# Altium PCB PCB.PcbDoc (continued)
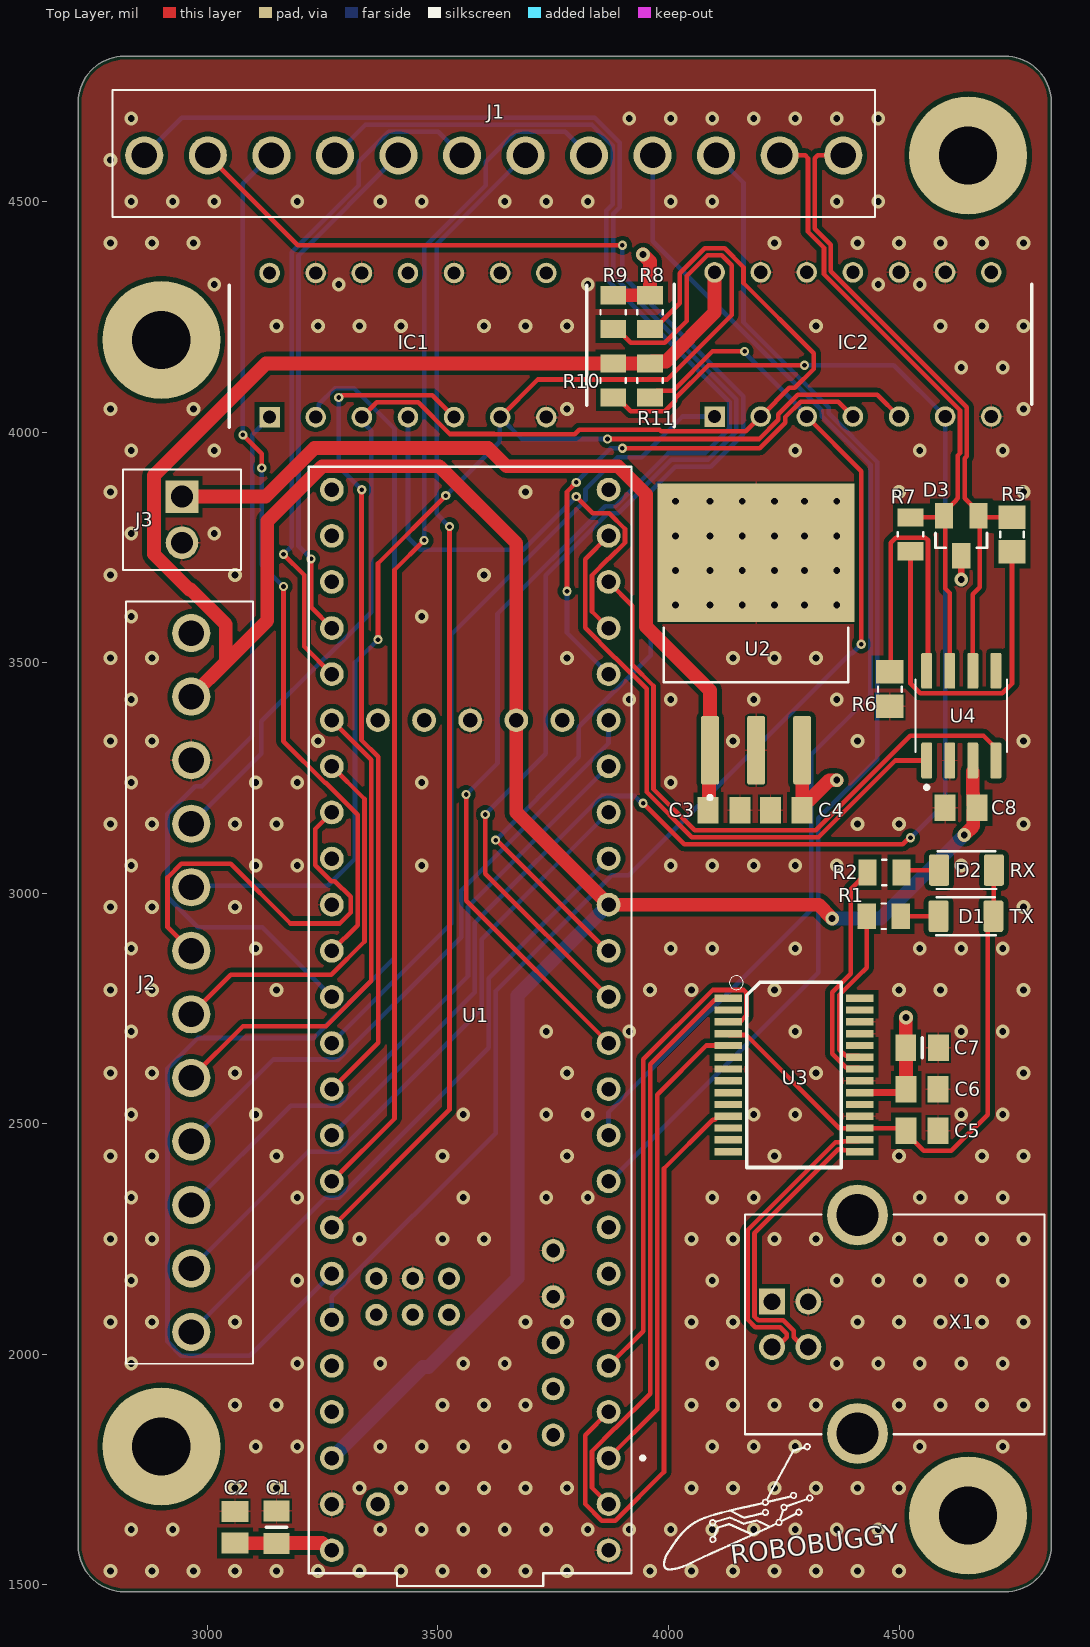
[diagram p0: Top Layer view]
## Footprints (in the part's own frame and the unit in brackets; to place one, negate y for a bottom-side part, rotate by r counter-clockwise, add the part's x,y. Pads: shape width x height; smd on the part's side, far side on the other; paste and mask are expansions set on the pad)
282834-2_1 [mm]
  rect 1.8x1.8 hole 1.2: 1(0,0)
  round 1.8 hole 1.2: 2(2.54,0)
  silkscreen extent -1.5,-3.25 4.04,3.25, body extent -1.5,-3.25 4.04,3.25, height 9.87
117762752 [mm]
  round 2.1 hole 1.4: 1(0,0) 2(3.5,0) 3(7,0) 4(10.5,0) 5(14,0) 6(17.5,0) 7(21,0) 8(24.5,0) 9(28,0) 10(31.5,0) 11(35,0) 12(38.5,0)
  silkscreen extent -1.75,-3.6 40.25,3.4, body extent -2.25,-3.6 40.75,3.4, height 8.31
CAPC2012X100N [mm]
  rect 1.16x1.47 smd: 1(-0.875,0) 2(0.875,0)
  body extent -1,-0.63 1,0.63, height 1
CAPC2012X140N#1 [mm]
  rect 1.15x1.45 smd: 1(-0.9,0) 2(0.9,0)
  silkscreen extent 0,-0.55 0,0.55, body extent -1,-0.63 1,0.63, height 1.35
CAPC2012X140N#2 [mm]
  rect 1.16x1.47 smd: 1(-0.875,0) 2(0.875,0)
  body extent -1,-0.63 1,0.63, height 0.94
DIP794W53P254L1930H508Q14N [mm]
  rect 1.13x1.13 hole 0.73: 1(-3.97,7.62)
  round 1.13 hole 0.73: 2(-3.97,5.08) 3(-3.97,2.54) 4(-3.97,0) 5(-3.97,-2.54) 6(-3.97,-5.08) 7(-3.97,-7.62) 8(3.97,-7.62) 9(3.97,-5.08) 10(3.97,-2.54) 11(3.97,0) 12(3.97,2.54) 13(3.97,5.08) 14(3.97,7.62)
  silkscreen extent -4.53,-9.84 3.3,9.84, body extent -3.94,-9.84 3.94,9.84, height 5.27
LEDC3216X110 [mm]
  rrect20% 1.1x1.73 smd: A(1.51,0) C(-1.51,0)
  silkscreen extent -1.65,-1.05 1.65,1.05, body extent -1.6,-0.8 1.6,0.8, height 1.1
MODULE_DEV-16771 [mm]
  round 1.308 hole 0.8: 0(-26.67,-7.62) 1(-24.13,-7.62) 2(-21.59,-7.62) 3(-19.05,-7.62) 3.3V_1(6.35,-7.62) 3.3V_2(-24.13,7.62) 3.3V_3(16.51,-2.54) 4(-16.51,-7.62) 5(-13.97,-7.62) 6(-11.43,-7.62) 7(-8.89,-7.62) 8(-6.35,-7.62) 9(-3.81,-7.62) 10(-1.27,-7.62) 11(1.27,-7.62) 12(3.81,-7.62) 13(3.81,7.62) 14(1.27,7.62) 15(-1.27,7.62) 16(-3.81,7.62) 17(-6.35,7.62) 18(-8.89,7.62) 19(-11.43,7.62) 20(-13.97,7.62) 21(-16.51,7.62) 22(-19.05,7.62) 23(-21.59,7.62) 24(8.89,-7.62) 25(11.43,-7.62) 26(13.97,-7.62) 27(16.51,-7.62) 28(19.05,-7.62) 29(21.59,-7.62) 30(24.13,-7.62) 31(26.67,-7.62) 32(29.21,-7.62) 33(29.21,7.62) 34(26.67,7.62) 35(24.13,7.62) 36(21.59,7.62) 37(19.05,7.62) 38(16.51,7.62) 39(13.97,7.62) 40(11.43,7.62) 41(8.89,7.62) GND1(-29.21,-7.62) GND2(6.35,7.62) GND3(-26.67,7.62) GND4(16.51,0) ON/OFF(16.51,5.08) PROGRAM(16.51,2.54) VBAT(16.51,-5.08) VIN(-29.21,7.62) VUSB(-26.67,5.08)
  round 1.258 hole 0.75: 5V(-22.86,-4.57) D+(-17.78,-4.57) D-(-20.32,-4.57) USB_GND1(-15.24,-4.57) USB_GND2(-12.7,-4.57)
  round 1.208 hole 0.7: GND5(-14.24,3.17) LED(-16.24,3.17) R+(-16.24,5.17) R-(-14.24,5.17) T+(-14.24,1.17) T-(-16.24,1.17)
  silkscreen extent -31.18,-9.6 30.48,8.89, body extent -31.18,-8.89 30.48,8.89, height 7.15
OST_USB-B1HSB6 [mm]
  rect 1.428x1.428 hole 0.92: 1(1.25,4.71)
  round 1.428 hole 0.92: 2(-1.25,4.71) 3(-1.25,2.71) 4(1.25,2.71)
  round 3.346 hole 2.33: P1(-6.02,0) P2(6.02,0)
  silkscreen extent -6.05,-10.3 6.05,6.2, body extent -7.42,-8.25 7.42,8.25, height 10.9
RESC2012X55N [mm]
  rect 1x1.42 smd: 1(-0.935,0) 2(0.935,0)
  silkscreen extent -0.12,-0.7 0.12,0.7, body extent -1,-0.63 1,0.63, height 0.55
RESC2012X60 [mm]
  rect 1.3x1.5 smd: 1(-0.95,0) 2(0.95,0)
  silkscreen extent -0.15,-0.65 0.15,0.65, body extent -1,-0.63 1,0.63, height 0.3
RESC2012X65N [mm]
  rect 1x1.42 smd: 1(-0.935,0) 2(0.935,0)
  silkscreen extent -0.12,-0.7 0.12,0.7
SOIC127P599X175-8N [mm]
  rrect25% 1.97x0.6 smd: 1(-2.47,1.905) 2(-2.47,0.635) 3(-2.47,-0.635) 4(-2.47,-1.905) 5(2.47,-1.905) 6(2.47,-0.635) 7(2.47,0.635) 8(2.47,1.905)
  silkscreen extent -4.05,-2.52 1.99,2.52, body extent -3,-2.45 3,2.45, height 1.75
SOT23 [mm]
  rect 1x1.4 smd: 1(-0.95,-1.1) 2(0.95,-1.1) 3(0,1.1)
  silkscreen extent -1.42,-0.15 1.42,0.66
SSOP28-0.65-10.2X5.2MM [mm]
  rect 0.4x1.5 smd: 1(-4.225,-3.625) 2(-3.575,-3.625) 3(-2.925,-3.625) 4(-2.275,-3.625) 5(-1.625,-3.625) 6(-0.975,-3.625) 7(-0.325,-3.625) 8(0.325,-3.625) 9(0.975,-3.625) 10(1.625,-3.625) 11(2.275,-3.625) 12(2.925,-3.625) 13(3.575,-3.625) 14(4.225,-3.625) 15(4.225,3.625) 16(3.575,3.625) 17(2.925,3.625) 18(2.275,3.625) 19(1.625,3.625) 20(0.975,3.625) 21(0.325,3.625) 22(-0.325,3.625) 23(-0.975,3.625) 24(-1.625,3.625) 25(-2.275,3.625) 26(-2.925,3.625) 27(-3.575,3.625) 28(-4.225,3.625)
  silkscreen extent -5.46,-3.55 5.1,2.6, body extent -5.1,-3.9 5.1,3.9, height 2
TO254P1524X483-4N [mm]
  rrect25% 3.79x0.99 smd: 1(-6.4,2.54) 2(-6.4,0) 3(-6.4,-2.54)
  rect 7.62x10.84 smd paste-6: 4(4.48,0)
  silkscreen extent -9.1,-5.08 0.35,5.08, body extent -7.18,-5.08 7.18,5.08, height 4.65

## Part data
C1: "Cap Ceramic 10uF 16V X7R 10% Pad SMD 0805 125C T/R", Package=None, Availability=Unavailable, MF="{'manufacturer': u'Samsung'}", MP=CL21B106KOQNNNE, Price=None
C2 C4 C5 C6 C8: library part 08055G104ZAT1A, "CAPACITOR, 0805, 100NF, 50V; Capacitor Application:General Purpose; Dielectric Characteristic:Y5V; Capacitance:0.1ÂµF; Capacitance Tolerance:-20% to +80%; Voltage Rating:50V; Capacitor Case Style:0805; Capacitor Mounting:SMD; Operating Temperature Range:-25Â°C to +85Â°C; SVHC:No SVHC (15-Dec-2010); External Depth:0.95mm; External Length / Height:2mm; External Width:1.25mm; Insulation Resistance:10000Mohm; No. of Pins:2; Operating Temperature Max:85Â°C; Operating Temperature Min:-25Â°C; Package / Case:0805; Reel Quantity:3000; Tape Width:8mm; Temperature Coefficient:+22%, -82%; Terminal Type:Surface Mount (SMD, SMT); Termination Type:SMD; Tolerance +:80%; Tolerance -:20%; Voltage Rating VDC:50V", Package=None, Availability=Unavailable, MF="{'manufacturer': u'AVX'}", MP=08055G104ZAT1A, Price=None
C3: library part C0805C334J5RECAUTO, Package=None, Availability=Unavailable, MF="{'manufacturer': u'KEMET'}", MP=C0805C334J5RECAUTO, Price=None
C7: library part CL21A475KOCLRNC, "0805 X5R 4.7UF 10% 16V", Package=None, Availability=Unavailable, MF="{'manufacturer': u'Samsung'}", MP=CL21A475KOCLRNC, Price=None
D1 D2: library part LTST-C230KRKT, "LED SMT RED CLR 1206 TAPE", Package=None, Availability=Unavailable, MF="{'manufacturer': u'Lite-On Electronics'}", MP=LTST-C230KRKT, Price=None
D3 U2: Package=None, Availability=Unavailable, Price=None
  D3: MF="{'manufacturer': u'Diotec Semiconductor'}", MP=NUP2105L
  U2: MF="{'manufacturer': u'Texas Instruments'}", MP=LM7805S/NOPB
IC1 IC2: "Integrated Circuit", Manufacturer_Name="Texas Instruments", Mouser Part Number=595-SN74AHCT125N, Arrow Part Number=SN74AHCT125N, Arrow Price/Stock=https://www.arrow.com/en/products/sn74ahct125n/texas-instruments?region=nac, Datasheet Link=http://www.ti.com/lit/gpn/sn74ahct125, Height=5.08mm, Manufacturer_Part_Number=SN74AHCT125N, Mouser Price/Stock=https://www.mouser.co.uk/ProductDetail/Texas-Instruments/SN74AHCT125N?qs=1wQRf3HkBjyxwrHMwAiMfw%3D%3D
J1 J2: "Connector", Manufacturer_Name="TE Connectivity", Mouser Part Number=571-1-1776275-2, Datasheet Link=https://www.mouser.com/datasheet/2/418/NG_CD_1776275_R1-659562.pdf, Height=8.6mm, Manufacturer_Part_Number=1-1776275-2, Mouser Price/Stock=https://www.mouser.co.uk/ProductDetail/TE-Connectivity/1-1776275-2?qs=GQ3BsEl46pl%2F8gdkKRu%2FaA%3D%3D
J3: "Connector", Manufacturer_Name="TE Connectivity", Mouser Part Number=571-282834-2, Arrow Part Number=282834-2, Arrow Price/Stock=https://www.arrow.com/en/products/282834-2/te-connectivity?region=europe, Datasheet Link=https://www.te.com/commerce/DocumentDelivery/DDEController?Action=srchrtrv&DocNm=1-1773458-1_EURO_STYLE_QRG&DocType=Data+Sheet&DocLang=English&PartCntxt=282834-2&DocFormat=pdf, Manufacturer_Part_Number=282834-2, Mouser Price/Stock=https://www.mouser.co.uk/ProductDetail/TE-Connectivity/282834-2?qs=A%252Bip%252BNCYi6N8cVKuk8xDog%3D%3D
R1 R2 R8 R9 R10 R11: library part TNPW0805270RBETA, Package=None, Availability=Unavailable, MF="{'manufacturer': u'Vishay'}", MP=TNPW0805270RBETA, Price=None
R5 R6: library part RC0805JR-7W0RL, "RC Series 0805 0.125 W 2 kOhms 5% Â±100 ppm/Â°C SMT Thick Film Chip Resistor", Package=None, Availability=Unavailable, MF="{'manufacturer': u'Yageo'}", MP=RC0805JR-7W0RL, Price=None
R7: library part 1-2176327-4, "Fixed Resistor CRGP 0805 120R 1%", Package=None, Availability=Unavailable, MF="{'manufacturer': u'TE Connectivity'}", MP=1-2176327-4, Price=None
U1: "RT1062 Teensy 4.1 i.MX ARM Cortex-M7 MPU Embedded Evaluation Board", Package=None, Availability=Unavailable, MF="{'manufacturer': u'SparkFun Electronics'}", MP=DEV-16771, Price=None
U3: "310070022", Package=None, Availability=Unavailable, MF="{'manufacturer': u'FTDI, Future'}", MP=FT232RL, Price=None
U4: "the sn65hvd230 sn65hvd231 and sn65hvd232 controller area network (can) transceivers are designed for use with the tex...", Package=None, Availability=Unavailable, MF="{'manufacturer': u'Texas Instruments'}", MP=SN65HVD230, Price=None
X1: "Conn Usb Type b r/a Black", Package=None, Availability=Unavailable, MF="{'manufacturer': u'On Shore'}", MP=USB-B1HSB6, Price=None

## Free pads (board coordinates)
  round 255.91 hole 125.98 mask+0: 2(4650,1650) 3(2900,1800) 4(2900,4200) 5(4650,4600)

## Via types
v1: diameter 30, hole 15, Top Layer to Bottom Layer, 314 vias
v2: diameter 20, hole 10, Top Layer to Bottom Layer, 25 vias
v3: diameter 30/30 (per signal layer), hole 15, Top Layer to Bottom Layer, 1 vias

## Nets (pads, with @x,y where several pads share a name; then routed paths per layer and width w, separated by ;. In a path a pad name is that pad's centre, name@x,y a point inside that pad or via, vN(x,y) a via of type N, cw(c..) or ccw(c..) an arc to the next point about the centre after c; other vN are vias at no path point)
3V3: C8.1 IC2.14 J2.2 R10.2 R11.2 U1.3.3V_1 U1.3.3V_2 U1.3.3V_3 U4.3 | length 6361.4
  Top Layer w30: J2.2 3040,3501.18 ; IC2.14 4100,4258.98 3994.32,4153.31 3964.69,4153.31 R11.2 3127.4,4148.62 2884.57,3905.79 2884.57,3734.97 2960.65,3658.88 2963.91,3658.88 3040,3582.79 3040,3501.18 ; v1(4355,2945) 4325,2975 U1.3.3V_1 3670,3175 3670,3758.79 3503.04,3925.75 3248.98,3925.75 3130,3806.77 3130,3591.18 3040,3501.18 ; v1(4641.38,3126.38) 4661.06,3146.06 4661.06,3177.17 C8.1 4661.06,3192.83 4661.06,3214.61 4659.85,3215.82 U4.3@4659.85,3263.98
  Bottom Layer w30: U1.3.3V_2 3467.27,1972.27 3479.57,1972.27 3672.73,2165.43 3672.73,2777.73 U1.3.3V_1 ; v1(4355,2945) 4460,2945 v1(4641.38,3126.38)
+5: C1.2 C2.2 C4.1 C6.1 C7.1 IC1.14 J2.1 R8.2 R9.2 U1.VIN U2.3 U3.20 | length 879.3
  Top Layer w15: U3.20 4507.92,2567.36 C6.1
  Top Layer w30: C2.2 3060.49,1590.06 3149.51,1590.06 3150,1590.55 3248.63,1590.55 3264.18,1575 U1.VIN ; R9.2 R8.2 3960,4370 v3(3945,4385) ; C4.1 C4.1@4290,3186.1 ; U2.3 C4.1@4290,3186.1 ; v1(4365,3245) 4348.9,3245 C4.1@4290,3186.1 ; C7.1 4514.57,2729.57 v1(4515,2730) ; C7.1@4515.06,2664.51 4515.06,2575.49 C6.1
+12: C3.1 J3.1 U2.1 | length 1836.2
  Top Layer w30: J3.1 3126.66,3860 3232.41,3965.75 3609.21,3965.75 3649.21,3925.75 3891.02,3925.75 3951.61,3865.15 3951.61,3577.99 4090,3439.6 U2.1 4088.05,3308.05 4088.05,3181.95 C3.1
CAN_N: D3.1 J1.1 R5.2 U4.6 | length 1404.2
  Top Layer w10: J1.1 4323.44,4600 4317.58,4594.14 4317.58,4440.51 4352.24,4405.84 4352.24,4348.46 4647.24,4053.46 4647.24,3947.71 4642.5,3942.97 4642.5,3856.08 4672.4,3826.18 D3.1 D3.1@4675,3815.71 ; U4.6 4660,3648.39 4675,3663.39 D3.1@4675,3815.71 ; R5.2 4675.71,3815 D3.1@4675,3815.71
CAN_P: D3.2 J1.2 R7.2 U4.7 | length 1403.8
  Top Layer w10: J1.2 4296.72,4600 4302.58,4594.14 4302.58,4434.3 4337.24,4399.63 4337.24,4342.24 4632.24,4047.24 4632.24,3953.93 4627.5,3949.18 4627.5,3856.08 4620.67,3849.25 4597.6,3826.18 D3.2 D3.2@4594.29,3815 ; R7.2 D3.2@4594.29,3815 ; U4.7 4610,3651.04 4600.31,3660.73 4600.31,3808.98 D3.2@4594.29,3815
GND: C1.1 C2.1 C3.2 C4.2 C5.2 C6.2 C7.2 C8.2 D3.3 IC1.7 IC1.9 IC1.10 IC1.12 IC1.13 IC2.7 IC2.9 IC2.10 IC2.12 IC2.13 J2.3 J3.2 R6.1 U1.GND1 U1.GND2 U1.GND3 U1.GND4 U1.GND5 U1.USB_GND1 U1.USB_GND2 U2.2 U2.4 U3.7 U3.18 U3.21 U3.25 U3.26 U4.2 X1.4 | length 51.7
  Top Layer w15: v1(4635,3680) D3.3
  other v1: 2790,1530 2880,1530 2970,1530 3060,1530 3150,1530 3240,1530 3330,1530 3420,1530 3510,1530 3600,1530 3690,1530 3780,1530 3960,1530 4050,1530 4140,1530 4230,1530 4320,1530 4410,1530 4500,1530 2835,1620 2925,1620 3375,1620 3465,1620 3555,1620 3645,1620 3735,1620 3825,1620 3915,1620 4005,1620 4095,1620 4185,1620 4275,1620 4365,1620 4455,1620 3060,1710 3150,1710 3330,1710 3420,1710 3510,1710 3600,1710 3690,1710 3780,1710 4050,1710 4140,1710 4230,1710 4320,1710 4410,1710 4500,1710 3105,1800 3195,1800 3375,1800 3465,1800 3555,1800 3645,1800 4095,1800 4185,1800 4275,1800 4545,1800 4725,1800 3060,1890 3150,1890 3510,1890 3600,1890 3690,1890 4050,1890 4140,1890 4230,1890 4320,1890 4500,1890 4590,1890 4680,1890 4770,1890 2835,1980 3195,1980 3375,1980 3555,1980 3645,1980 4095,1980 4365,1980 4455,1980 4545,1980 4635,1980 4725,1980 2790,2070 2880,2070 3060,2070 3690,2070 3780,2070 4050,2070 4140,2070 4410,2070 4500,2070 4590,2070 4680,2070 4770,2070 2835,2160 3195,2160 4095,2160 4365,2160 4455,2160 4545,2160 4635,2160 4725,2160 2790,2250 2880,2250 3330,2250 3510,2250 3600,2250 4050,2250 4140,2250 4230,2250 4320,2250 4500,2250 4590,2250 4680,2250 4770,2250 2835,2340 3195,2340 3555,2340 3735,2340 3825,2340 4095,2340 4185,2340 4545,2340 4635,2340 4725,2340 2790,2430 2880,2430 3150,2430 3510,2430 3780,2430 4230,2430 4500,2430 4680,2430 4770,2430 2835,2520 3105,2520 3555,2520 3735,2520 3825,2520 4185,2520 4275,2520 4635,2520 4725,2520 2790,2610 2880,2610 3060,2610 3780,2610 4320,2610 4770,2610 2835,2700 3735,2700 3915,2700 4275,2700 4635,2700 4725,2700 2790,2790 2880,2790 3150,2790 3960,2790 4050,2790 4230,2790 4500,2790 4590,2790 4770,2790 2835,2880 3105,2880 4005,2880 4095,2880 4275,2880 4545,2880 4635,2880 4725,2880 2790,2970 2880,2970 3060,2970 4770,2970 2835,3060 3105,3060 3195,3060 3465,3060 4005,3060 4095,3060 4185,3060 4275,3060 4365,3060 4635,3060 2790,3150 2880,3150 3060,3150 3150,3150 4410,3150 4500,3150 4770,3150 2835,3240 3105,3240 3195,3240 3465,3240 4005,3240 2790,3330 2880,3330 3240,3330 4140,3330 4410,3330 4770,3330 2835,3420 3915,3420 4005,3420 4185,3420 4365,3420 2790,3510 2880,3510 3780,3510 4140,3510 4230,3510 4320,3510 2835,3600 3465,3600 4015,3625 4090,3625 4160,3625 4230,3625 4295,3625 4365,3625 2790,3690 3060,3690 3600,3690 4015,3700 4090,3700 4160,3700 4230,3700 4295,3700 4365,3700 4015,3775 4090,3775 4160,3775 4230,3775 4295,3775 4365,3775 2835,3780 3015,3780 4015,3850 4090,3850 4160,3850 4230,3850 4295,3850 4365,3850 2790,3870 3690,3870 4500,3870 4770,3870 2835,3960 3015,3960 4275,3960 4545,3960 4725,3960 2790,4050 2970,4050 3780,4050 4770,4050 4635,4140 4725,4140 3150,4230 3240,4230 3330,4230 3420,4230 3600,4230 3690,4230 3780,4230 4320,4230 4590,4230 4680,4230 4770,4230 3015,4320 3285,4320 3825,4320 4455,4320 4545,4320 2790,4410 2880,4410 2970,4410 4230,4410 4410,4410 4500,4410 4590,4410 4680,4410 4770,4410 2835,4500 2925,4500 3015,4500 3195,4500 3375,4500 3465,4500 3645,4500 3735,4500 3825,4500 4005,4500 4095,4500 4365,4500 4455,4500 2790,4590 2835,4680 3915,4680 4005,4680 4095,4680 4185,4680 4275,4680 4365,4680 4455,4680
NetC5_1: C5.1 D1.A D2.A U3.4 U3.17 | length 1240
  Top Layer w10: U3.4 4132.44,2692.44 4168.62,2692.44 4370.47,2490.59 U3.17 4509.96,2490.59 C5.1 4515.55,2478.9 4553.39,2441.06 4613.5,2441.06 4692.13,2519.69 4692.13,2937.68 4705.08,2950.63 4705.08,3049.37 D2.A
NetD1_C: D1.C R1.2 | length 86.5
  Top Layer w10: R1.2@4505,2950 4577.36,2950 D1.C@4587.36,2940
NetD2_C: D2.C R2.2 | length 81.4
  Top Layer w10: R2.2@4505.43,3050 D2.C
NetIC1_1: IC1.1 U1.14 | length 1587.1
  Bottom Layer w10: IC1.1 3097.1,3994.5 3097.1,3340.81 2988.34,3232.05 2973.85,3232.05 2913.66,3171.86 2913.66,2991.53 2978.85,2926.34 3118.66,2926.34 U1.14
NetIC1_2: IC1.2 U1.20 | length 3019.9
  Bottom Layer w10: IC1.2 3241.6,4039 3241.6,4059.88 3276.72,4095 3318,4095 3405.75,4007.25 3405.75,2860.19 3284.81,2739.25 3283.7,2739.25 3230.31,2685.87 2978.85,2685.87 2913.66,2620.68 2913.66,2026.96 2943.73,1996.89 3091.89,1996.89 U1.20
NetIC1_3: IC1.3 IC2.2 J2.4 R8.1 | length 2747
  Top Layer w10: IC1.3 3367.24,4064.65 3457.16,4064.65 3526.05,3995.75 3621.63,3995.75 3622.22,3995.16 3796.52,3995.16 3806.37,4005 3980.62,4005 3984.17,4001.46 4167.76,4001.46 IC2.2 ; R8.1 3968.27,4223.19 4024.37,4279.29 4024.37,4344.55 4078.36,4398.54 4121.64,4398.54 4162.76,4357.43 4162.76,4323.19 4315,4170.95 4315,4136.72 4274.23,4095.94 4262.24,4095.94 4202.95,4036.65 IC2.2@4202.19,4036.65
  Bottom Layer w10: J2.4 3117.05,3302.64 3117.05,3372.6 3255.19,3510.75 3256.3,3510.75 3355,3609.44 3355,4003.07 3335,4023.07 IC1.3
NetIC1_4: IC1.4 U1.29 | length 1079.1
  Top Layer w10: v2(3800,3860) 3836.05,3823.95 3871.61,3823.95 3905.75,3789.81 3905.75,3760.19 3870.56,3725 3869.44,3725 3834.25,3689.81 3834.25,3610.75 U1.29
  Bottom Layer w10: IC1.4 3435,3771.72 3461.72,3745 3685,3745 v2(3800,3860)
NetIC1_5: IC1.5 U1.16 | length 1849.4
  Top Layer w10: U1.16 3370.75,2675.75 3370.75,3295.47 3334.25,3331.96 3334.25,3874.25 v2(3335,3875) ; v2(3285,4075) 3287.71,4075 3292.35,4079.65 3487.76,4079.65 IC1.5
  Bottom Layer w10: v2(3285,4075) 3285,3925 v2(3335,3875)
NetIC1_6: IC1.6 IC2.5 J2.5 R9.1 | length 3536.5
  Top Layer w10: v2(3370,3550) 3370,3715 v2(3517.14,3862.14) ; IC1.6 3716.53,4113.94 3997.38,4113.94 4137.24,4253.8 4137.24,4361.73 4115.43,4383.54 4084.57,4383.54 4039.37,4338.34 4039.37,4240.78 3992.09,4193.5 3917.95,4193.5 3888.27,4223.19 R9.1 ; v2(3867.77,3985) 4196.9,3985 4238.36,4026.46 4238.36,4038.87 4280.43,4080.94 4452.76,4080.94 IC2.5
  Bottom Layer w10: J2.5 2967.95,3015.75 3261.3,3015.75 3320.17,3074.62 3320.17,3500.17 v2(3370,3550) ; v2(3517.14,3862.14) 3634.26,3979.26 3634.26,4031.67 IC1.6 3682.4,3985 v2(3867.77,3985)
NetIC2_1: IC2.1 U1.15 | length 1773.9
  Bottom Layer w10: U1.15 3529.25,2934.25 3529.25,3560.97 3820,3851.72 3820,3875.56 3889.44,3945 3941.75,3945 4030.45,4033.7 IC2.1
NetIC2_3: IC2.3 R11.1 U1.21 | length 2950.9
  Top Layer w10: R11.1 3974.69,4089.69 4010.19,4089.69 4095.5,4175 v2(4165,4175) ; IC2.3 4418.39,3915.31 4418.39,3540.34 v2(4418.04,3540)
  Bottom Layer w10: U1.21 3270,2124.44 3625.22,2479.66 3625.22,2787.84 3876.63,3039.25 3914.25,3039.25 4395.31,3520.31 4398.35,3520.31 v2(4418.04,3540) ; v2(4165,4175) 4165,4172.29 4300,4037.29 IC2.3
NetIC2_4: IC2.4 U1.28 | length 1153.4
  Top Layer w10: v2(3780,3655) 3780,3870.75 v2(3800,3890.75) ; v2(3900,3965) 4198.11,3965 4253.36,4020.24 4253.36,4032.66 4286.64,4065.94 4367.76,4065.94 IC2.4
  Bottom Layer w10: v2(3780,3655) 3780,3565 U1.28 ; v2(3800,3890.75) 3874.25,3965 3896.17,3965 v2@3898.09,3963.09
NetIC2_6: IC2.6 R10.1 U1.17 | length 3464.5
  Top Layer w10: R10.1 3888.27,4075 3917.95,4045.31 3992.09,4045.31 4015,4068.22 4015,4073.28 4086.72,4145 v2(4295,4145) ; v2(3945,3195) 4033.94,3106.06 4508.36,3106.06 4522.29,3120 v2(4525,3120)
  Bottom Layer w10: U1.17 3580.22,2785.22 3580.22,2935.77 3855.19,3210.75 3926.55,3210.75 3942.29,3195 v2(3945,3195) ; v2(4295,4145) 4488.7,4145 IC2.6 4600,3195 v2(4525,3120)
NetJ1_3: J1.3 U1.7 | length 2612.8
  Bottom Layer w10: U1.7 3872.43,2375 4325,2827.57 4325,3162.57 4453.04,3290.62 4453.04,3935.06 4347.24,4040.86 4347.24,4053.27 4162.76,4237.76 4162.76,4540.63 J1.3
NetJ1_4: J1.4 U1.8 | length 2556
  Bottom Layer w10: U1.8 3870,2524.44 4310,2964.44 4310,3300.73 4438.04,3428.77 4438.04,3928.84 4332.24,4034.64 4332.24,4047.06 3965.59,4413.71 J1.4
NetJ1_5: J1.5 U1.18 | length 2621.8
  Top Layer w10: U1.18 3405.75,2510.75 3405.75,3700.75 v2(3470,3765)
  Bottom Layer w10: v2(3470,3765) 3470,4401.21 3603.54,4534.76 3603.54,4586.15 3668.73,4651.34 3776.46,4651.34 J1.5
NetJ1_6: J1.6 U1.19 | length 2522
  Top Layer w10: U1.19 3525,2530 v2(3525,3795)
  Bottom Layer w10: v2(3525,3795) 3497.14,3822.86 3497.14,4407.14 J1.6
NetJ1_7: J1.7 U1.37 | length 1494.7
  Top Layer w10: v2(3165,3735) 3210,3690 3210,3535 U1.37
  Bottom Layer w10: v2(3165,3735) 3182.76,3752.76 3182.76,4389.56 3327.95,4534.76 3327.95,4586.15 3393.14,4651.34 3500.87,4651.34 J1.7
NetJ1_8: J1.8 U1.36 | length 1144.7
  Top Layer w10: v2(3225,3725) 3225,3620 U1.36
  Bottom Layer w10: v2(3225,3725) 3197.76,3752.24 3197.76,4383.35 J1.8
NetJ1_9: J1.9 U1.10 | length 3135.5
  Top Layer w10: v2(3561.17,3213.99) 3561.17,2983.83 U1.10
  Bottom Layer w10: J1.9 3342.95,4666.34 3834.06,4666.34 3849.06,4651.34 3879.13,4621.27 3879.13,4493.79 3865,4479.66 3865,4332.57 4132.24,4065.33 4132.24,4007.31 4079.53,3954.6 4000.16,3954.6 3884.81,3839.25 3862.48,3839.25 3629.25,3606.02 3629.25,3282.08 v2(3561.17,3213.99)
NetJ1_10: J1.10 U1.13 | length 1877.3
  Top Layer w10: v2(3077.1,3993.79) 3117.98,3952.91 v2(3117.98,3922.02) ; v2(3165,3665) 3165,3329.44 3255.19,3239.25 3256.3,3239.25 3325.75,3169.81 3325.75,2930.75 U1.13
  Bottom Layer w10: v2(3077.1,3993.79) 3077.1,4538.28 J1.10 ; v2(3117.98,3922.02) 3117.98,3712.02 v2(3165,3665)
NetJ1_11: J1.11 U1.12 | length 2991.3
  Top Layer w10: J1.11 3196.02,4405 v2(3900,4405) ; v2(3625,3115) 3627.5,3115 3867.5,2875 U1.12
  Bottom Layer w10: v2(3625,3115) 3805.75,3295.75 3805.75,3361.3 3883.7,3439.25 3884.81,3439.25 3961.89,3516.34 3961.89,3871.89 4014.6,3924.6 4091.96,3924.6 4162.24,3994.89 4162.24,4077.76 3900,4340 v2(3900,4405)
NetJ1_12: J1.12 U1.11 | length 3451.8
  Top Layer w10: v2(3602.72,3170.71) 3602.72,3042.28 U1.11
  Bottom Layer w10: J1.12 2944.57,4681.34 3840.27,4681.34 3894.13,4627.48 3894.13,4487.58 3880,4473.44 3880,4338.79 4147.24,4071.54 4147.24,4001.1 4085.75,3939.6 4006.37,3939.6 3891.02,3824.25 3868.7,3824.25 3734.25,3689.81 3734.25,3302.24 v2(3602.72,3170.71)
NetJ2_6: J2.6 U1.40 | length 921.7
  Top Layer w10: J2.6 2913.66,2926.34 2913.66,3034.06 2943.73,3064.13 3050.37,3064.13 3180.25,2934.25 3286.88,2934.25 3310.75,2958.12 3310.75,2991.88 3276.59,3026.04 3268.41,3026.04 3234.25,3060.19 3234.25,3139.25 U1.40
NetJ2_7: J2.7 U1.39 | length 850.3
  Top Layer w10: J2.7 3050.95,2823.15 3268.71,2823.15 3340.75,2895.19 3340.75,3204.25 U1.39
NetJ2_8: J2.8 U1.38 | length 1078.4
  Top Layer w10: J2.8 3077.34,2711.75 3257.31,2711.75 3355.75,2810.19 3355.75,3289.25 U1.38
NetJ2_9: J2.9 U1.27 | length 1371.5
  Bottom Layer w10: J2.9 3142.64,2639.25 3284.81,2639.25 3550.22,2904.66 3550.22,3005.77 3870,3325.56 U1.27
NetJ2_10: J2.10 U1.26 | length 1387.2
  Bottom Layer w10: J2.10 3180.43,2539.25 3284.81,2539.25 3565.22,2819.66 3565.22,2970.22 U1.26
NetJ2_11: J2.11 U1.25 | length 1402.8
  Bottom Layer w10: J2.11 3218.23,2439.25 3284.81,2439.25 3595.22,2749.66 3595.22,2900.22 U1.25
NetJ2_12: J2.12 U1.24 | length 1418.5
  Bottom Layer w10: J2.12 3256.02,2339.25 3284.81,2339.25 3610.22,2664.66 3610.22,2815.22 U1.24
NetR1_1: R1.1 U3.23 | length 365.4
  Top Layer w10: U3.23 4412.13,2647.01 4384.1,2647.01 4370.47,2660.64 4370.47,2779.1 4410,2818.63 4430,2838.63 R1.1
NetR2_1: R2.1 U3.22 | length 498.1
  Top Layer w10: U3.22 4412.13,2621.42 4385.65,2621.42 4355.47,2651.59 4355.47,2785.32 4395,2824.84 4395,3008.62 R2.1
NetR5_1: R5.1 R7.1 | length 810.3
  Top Layer w10: R7.1 4525,3454.24 4545.78,3433.46 4724.22,3433.46 4745,3454.24 R5.1
NetR6_2: R6.2 U4.8 | length 653.3
  Top Layer w10: R6.2 4482.05,3481.85 4482.05,3760.21 4492.91,3771.06 4557.09,3771.06 4562.95,3765.21 4562.95,3485.2 U4.8
NetU1_0: U1.0 U3.1 | length 1250.1
  Top Layer w10: U1.0 3834.25,1710.75 3834.25,1789.81 3883.7,1839.25 3884.81,1839.25 3960.35,1914.8 3960.35,2628.82 4100.74,2769.21 4126.69,2769.21 U3.1
NetU1_1: U1.1 U3.5 | length 1029.9
  Top Layer w10: U1.1 3975.35,1880.35 3975.35,2562.78 4082.3,2669.73 U3.5
NetU1_2: U1.2 U3.11 | length 1294.8
  Top Layer w10: U1.2 3819.25,1824.25 3819.25,1675.19 3855.19,1639.25 3884.81,1639.25 3990.35,1744.8 3990.35,2402.92 4095.9,2508.47 4100.2,2508.47 4105.04,2513.31 4126.69,2513.31 U3.11
NetU1_3: U1.3 U3.3 | length 1078.9
  Top Layer w10: U1.3 3945.35,2050.35 3945.35,2639.42 4095.9,2789.96 4163.24,2789.96 4169.1,2784.1 4169.1,2734.48 4158.4,2723.78 4132.44,2723.78 U3.3
NetU1_30: U1.30 U4.4 | length 1392.5
  Top Layer w10: U1.30 3921.61,3623.39 3921.61,3495.15 3967.5,3449.27 3967.5,3225.62 4057.05,3136.06 4319.05,3136.06 4524.52,3341.54 4683.19,3341.54 4710,3314.72 U4.4
NetU1_31: U1.31 U4.1 | length 1349.7
  Top Layer w10: U1.31 3819.25,3724.25 3819.25,3575.19 3883.7,3510.75 3884.81,3510.75 3952.5,3443.06 3952.5,3219.41 4050.84,3121.06 4325.26,3121.06 4491.95,3287.76 U4.1
USB_N: U3.16 X1.2 | length 664.5
  Top Layer w10: X1.2 4235.63,2015.79 4256.44,2036.6 4256.44,2044.89 4242.42,2058.9 4188.31,2058.9 4171.46,2075.75 4171.46,2268.98 4362.18,2459.7 4376.68,2459.7 4379.1,2462.13 4412.13,2462.13 U3.16
USB_P: U3.15 X1.3 | length 639.7
  Top Layer w10: X1.3 4292.25,2015.79 4271.44,2036.6 4271.44,2051.1 4248.64,2073.9 4194.52,2073.9 4186.46,2081.96 4186.46,2262.77 4368.4,2444.7 4376.68,2444.7 4379.1,2442.28 4412.13,2442.28 U3.15
pads on no net: IC1.8 IC1.11 IC2.8 IC2.11 U1.4 U1.5 U1.5V U1.6 U1.9 U1.22 U1.23 U1.32 U1.33 U1.34 U1.35 U1.41 U1.D+ U1.D- U1.LED U1.ON/OFF U1.PROGRAM U1.R+ U1.R- U1.T+ U1.T- U1.VBAT U1.VUSB U3.2 U3.6 U3.8 U3.9 U3.10 U3.12 U3.13 U3.14 U3.19 U3.24 U3.27 U3.28 U4.5 X1.1 X1.P1 X1.P2

## Polygon pours and split planes (outlines as drawn)
GND on Bottom Layer "GND_L04_P001" (solid, pour order 1): 2720,1585 ccw(c2820,1585) 2820,1485 4730,1485 ccw(c4730,1585) 4830,1585 4830,4715 ccw(c4730,4715) 4730,4815 2820,4815 ccw(c2820,4715) 2720,4715
GND on Top Layer "GND_L01_P000" (solid, pour order 0): 2720,1585 ccw(c2820,1585) 2820,1485 4730,1485 ccw(c4730,1585) 4830,1585 4830,4715 ccw(c4730,4715) 4730,4815 2820,4815 ccw(c2820,4715) 2720,4715
GND on GND Plane (split plane): 4737.84,4794.61 4745.61,4793.46 4753.22,4791.55 4760.61,4788.91 4767.71,4785.55 4774.44,4781.51 4780.75,4776.84 4786.57,4771.57 4791.84,4765.75 4796.51,4759.44 4800.55,4752.71 4803.91,4745.61 4806.55,4738.22 4808.46,4730.61 4809.61,4722.84 4809.97,4715.63 4809.9,4715 4809.9,1585 4809.97,1584.37 4809.61,1577.16 4808.46,1569.39 4806.55,1561.78 4803.91,1554.39 4800.55,1547.29 4796.51,1540.56 4791.84,1534.25 4786.57,1528.43 4780.75,1523.16 4774.44,1518.49 4767.71,1514.45 4760.61,1511.09 4753.22,1508.45 4745.61,1506.54 4737.84,1505.39 4730.63,1505.03 4730,1505.1 2820,1505.1 2819.37,1505.03 2812.16,1505.39 2804.39,1506.54 2796.78,1508.45 2789.39,1511.09 2782.29,1514.45 2775.56,1518.49 2769.25,1523.16 2763.43,1528.43 2758.16,1534.25 2753.49,1540.56 2749.45,1547.29 2746.09,1554.39 2743.45,1561.78 2741.54,1569.39 2740.39,1577.16 2740.03,1584.37 2740.1,1585 2740.1,3220 2740.1,4715 2740.03,4715.63 2740.39,4722.84 2741.54,4730.61 2743.45,4738.22 2746.09,4745.61 2749.45,4752.71 2753.49,4759.44 2758.16,4765.75 2763.43,4771.57 2769.25,4776.84 2775.56,4781.51 2782.29,4785.55 2789.39,4788.91 2796.78,4791.55 2804.39,4793.46 2812.16,4794.61 2819.37,4794.97 2820,4794.9 4730,4794.9 4730.63,4794.97
+5 on 5V Plane (split plane): 4737.84,4794.61 4745.61,4793.46 4753.22,4791.55 4760.61,4788.91 4767.71,4785.55 4774.44,4781.51 4780.75,4776.84 4786.57,4771.57 4791.84,4765.75 4796.51,4759.44 4800.55,4752.71 4803.91,4745.61 4806.55,4738.22 4808.46,4730.61 4809.61,4722.84 4809.97,4715.63 4809.9,4715 4809.9,1585 4809.97,1584.37 4809.61,1577.16 4808.46,1569.39 4806.55,1561.78 4803.91,1554.39 4800.55,1547.29 4796.51,1540.56 4791.84,1534.25 4786.57,1528.43 4780.75,1523.16 4774.44,1518.49 4767.71,1514.45 4760.61,1511.09 4753.22,1508.45 4745.61,1506.54 4737.84,1505.39 4730.63,1505.03 4730,1505.1 2820,1505.1 2819.37,1505.03 2812.16,1505.39 2804.39,1506.54 2796.78,1508.45 2789.39,1511.09 2782.29,1514.45 2775.56,1518.49 2769.25,1523.16 2763.43,1528.43 2758.16,1534.25 2753.49,1540.56 2749.45,1547.29 2746.09,1554.39 2743.45,1561.78 2741.54,1569.39 2740.39,1577.16 2740.03,1584.37 2740.1,1585 2740.1,3220 2740.1,4715 2740.03,4715.63 2740.39,4722.84 2741.54,4730.61 2743.45,4738.22 2746.09,4745.61 2749.45,4752.71 2753.49,4759.44 2758.16,4765.75 2763.43,4771.57 2769.25,4776.84 2775.56,4781.51 2782.29,4785.55 2789.39,4788.91 2796.78,4791.55 2804.39,4793.46 2812.16,4794.61 2819.37,4794.97 2820,4794.9 4730,4794.9 4730.63,4794.97

## Silkscreen, mask and mechanical layers (free items; w line width, h text height)
Top Overlay:
  region: 2246 vertices and 10 holes, not listed, extent 3988.53,1531.45 4313.78,1806.89
  text "RX" at 4740,3035 h30
  text "TX" at 4740,2935 h30
  text "ROBOBUGGY" at 4139.86,1531.06 h70 r7.5
Bottom Overlay:
  region: 2246 vertices and 10 holes, not listed, extent 2807.28,2197.02 4228.09,3920.45
  text "ROBOBUGGY" at 4659.82,4030 h350 r90

## Text inside footprints (layer, text, board x,y; h text height)
U1: Mechanical 13 "Teensy 4.1" at 3556.61,2715.16 h50 r90